# Altium PCB foxbms2-master.PcbDoc (part 4 of 11)
Units mil, origin at the board's own origin, x right, y up, seen from the top; angles counter-clockwise.
Board outline 7874.02 x 4724.41 mil, 8 copper layers (Top, Int1 (Sig), Int2 (Gnd), Int3 (Sig), Int4 (Sig), Int5 (Pwr), Int6 (Sig), Bottom), stack 64.41 mil thick; 912 components, 680 nets, 3159 pads, 2871 vias.
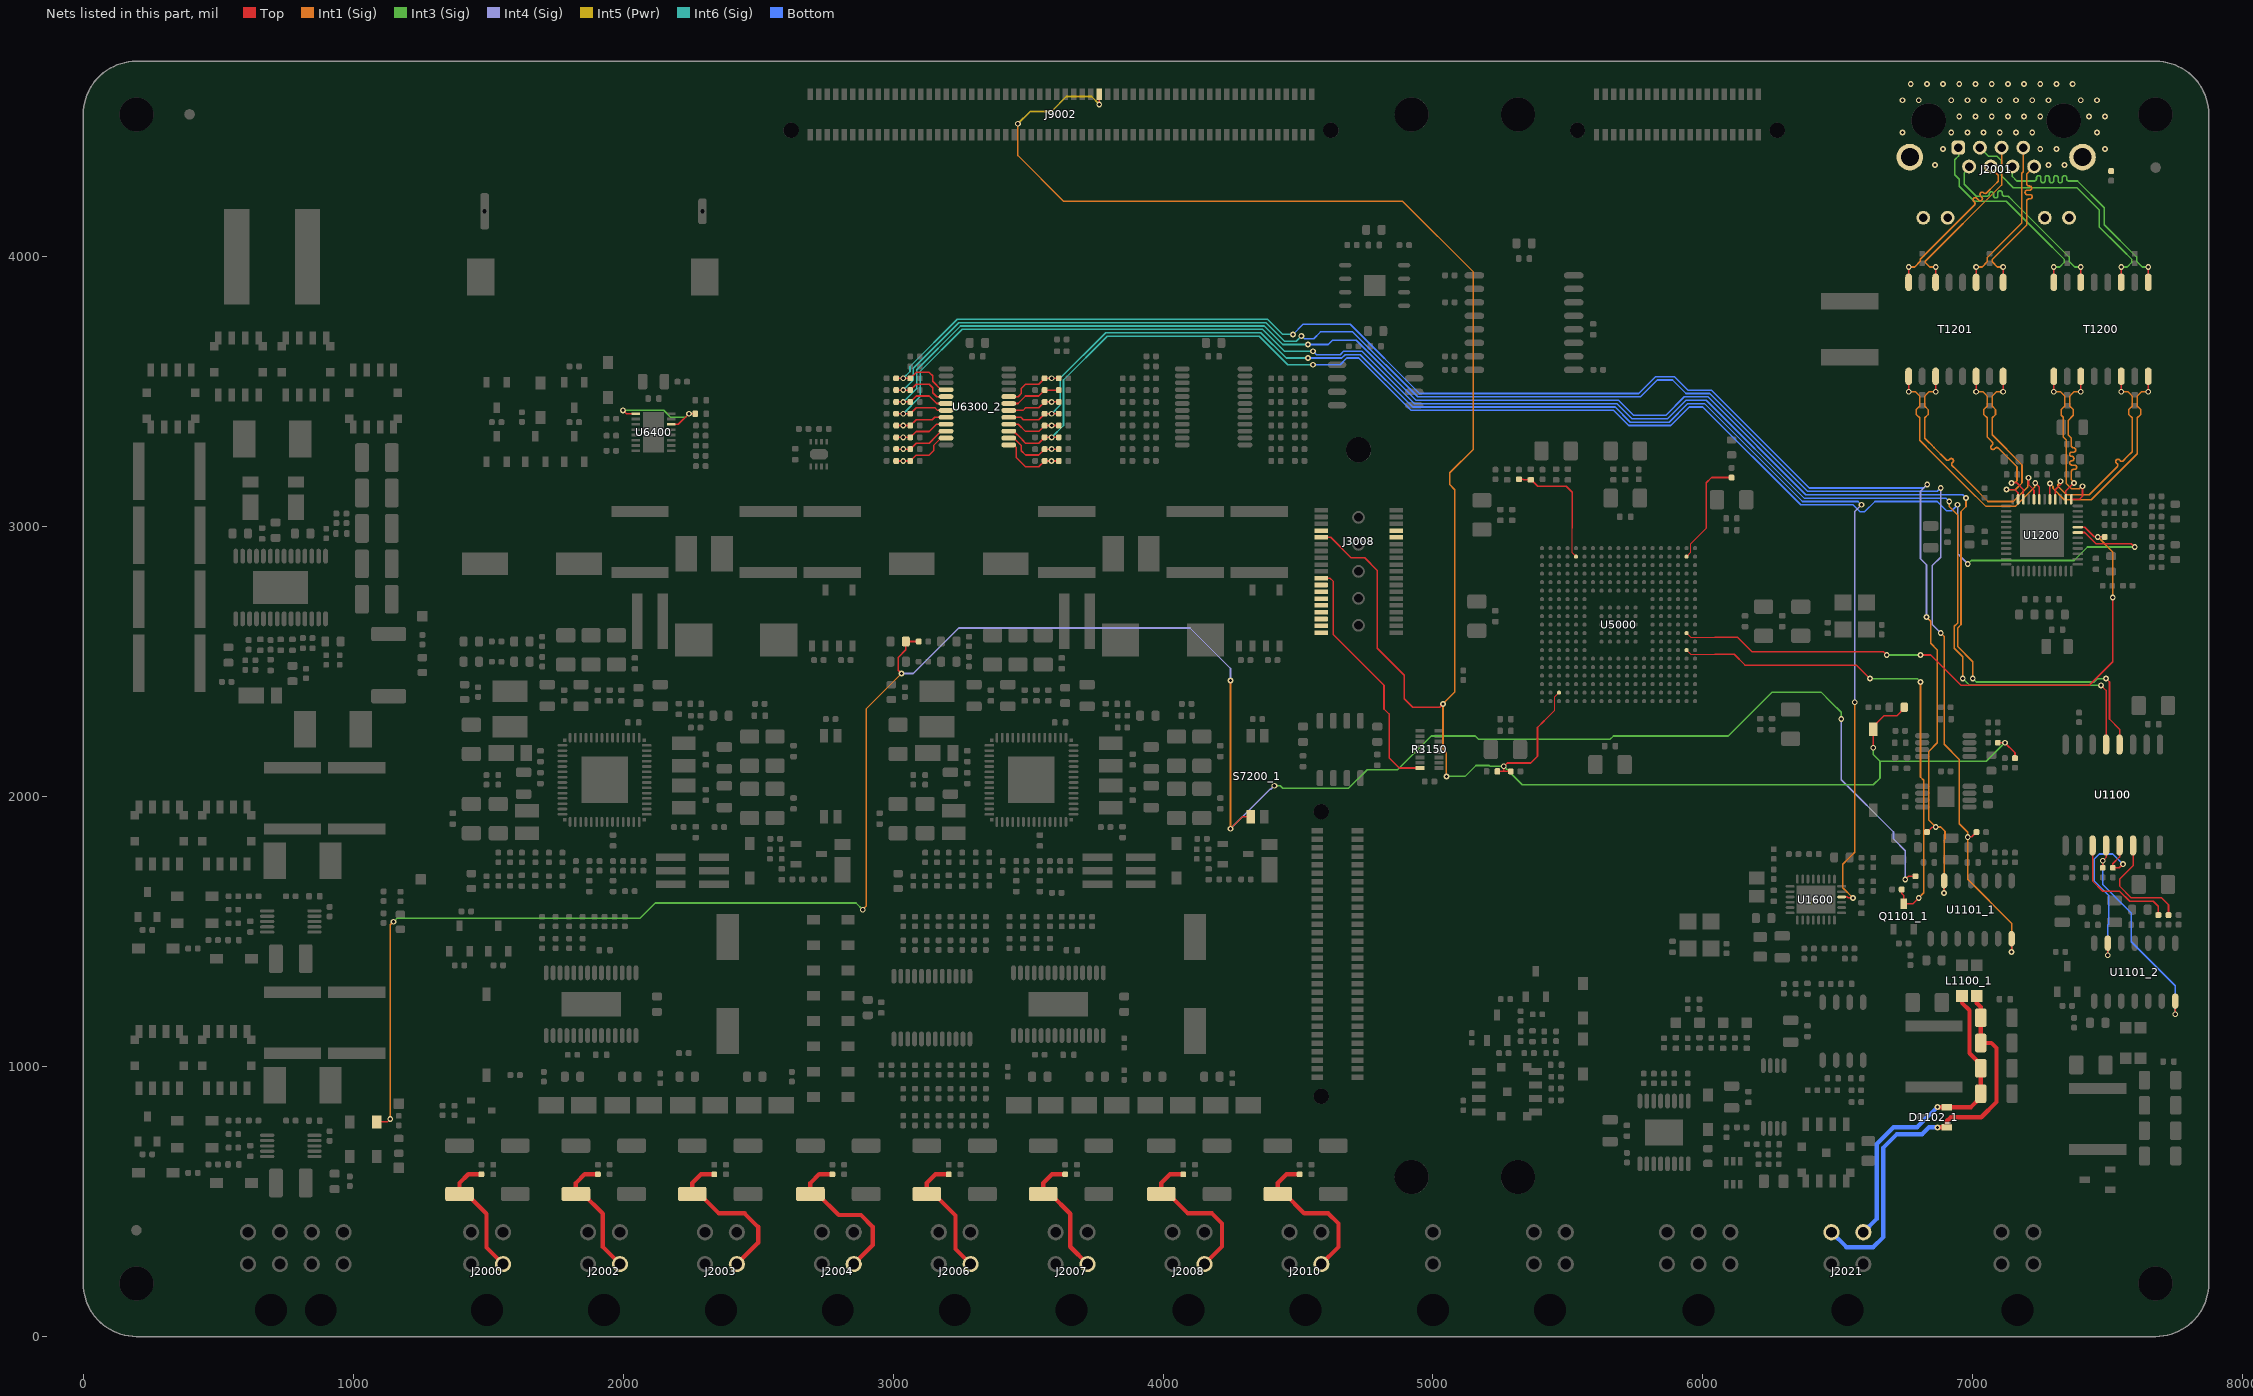
[diagram p10: the nets of this part, all layers, seen from the top]

## Part data (continued)
J3008: "Connector, SMT, 38 POS, MICTOR", Manufacturer=TE, Operating Temperature="−55 °C - +125 °C", Rated Current=11.5A, Rated Voltage="30V AC", Supplier Part Number 1=571-2-5767004-2, Automotive Qualified=False, Circuits=38, ComponentLink1Description=Datasheet, ComponentLink1URL=https://www.te.com/deu-de/product-2-5767004-2.datasheet.pdf, ECCN=EAR99, Part Name=TE_2-5767004-2, Part Number=TE_2-5767004-2, Supplier 1=Mouser, Supplier 2=Farnell, Supplier 3=Digikey, Supplier Part Number 2=1076633, Supplier Part Number 3=A32308-ND
J9000: library part SAMTEC_ERM8-020-09.0-L-DV-K-TR, "Edge Rate rugged high-speed connector strips", Manufacturer=Samtec, Operating Temperature="-55°C - +125°C", Supplier Part Number 1=3551150, Automotive Qualified=False, Circuits=40, ComponentLink1Description=Datasheet, ComponentLink1URL=https://suddendocs.samtec.com/catalog_english/erm8.pdf, ECCN=EAR99, Part Name=ERM8-020-09.0-L-DV-K-TR, Part Number=SAMTEC_ERM8-020-09.0-L-DV-K-TR, Supplier 1=Farnell, Supplier 2=Samtec, Supplier 3="RS Components", Supplier Part Number 2=ERM8-020-09.0-L-DV-K-TR, Supplier Part Number 3=1798876, System=Connector
J9001: library part SAMTEC_ERM8-030-09.0-L-DV-K-TR, "Edge Rate rugged high-speed connector strips", Manufacturer=Samtec, Operating Temperature="-55°C - +125°C", Supplier Part Number 1=SAM13766CT-ND, Automotive Qualified=False, Circuits=60, ComponentLink1Description=Datasheet, ComponentLink1URL=https://suddendocs.samtec.com/catalog_english/erm8.pdf, ECCN=EAR99, Part Name=ERM8-030-09.0-L-DV-K-TR, Part Number=SAMTEC_ERM8-030-09.0-L-DV-K-TR, Supplier 1=Digikey, Supplier 2=Mouser, Supplier Part Number 2=200-ERM8030090LDVKTR
J9002: library part SAMTEC_ERM8-060-09.0-L-DV-K-TR, "Edge Rate rugged high-speed connector strips", Manufacturer=Samtec, Operating Temperature="-55°C - +125°C", Supplier Part Number 1=SAM13147CT-ND, Automotive Qualified=False, Circuits=120, ComponentLink1Description=Datasheet, ComponentLink1URL=https://suddendocs.samtec.com/catalog_english/erm8.pdf, ECCN=EAR99, Part Name=ERM8-060-09.0-L-DV-K-TR, Part Number=SAMTEC_ERM8-060-09.0-L-DV-K-TR, Supplier 1=Digikey, Supplier 2=Mouser, Supplier Part Number 2=200-ERM8060090LDVKTR
L1100_1 L1100_2: library part DLW32SH510XK2L, "Common Mode Choke", Manufacturer=Murata, Operating Temperature="–40°C - +125°C", Rated Current=200mA, Supplier Part Number 1=490-18064-1-ND, Automotive Qualified=True, ComponentLink1Description=Datasheet, ComponentLink1URL=https://www.murata.com/en-eu/products/productdata/8799534383134/QFLC9119.pdf?1544104810000, Inductance=51uH, Part Number=DLW32SH510XK2L, Supplier 1=Digikey, Supplier 2=Mouser, Supplier 3=Farnell, Supplier Part Number 2=81-DLW32SH510XK2L, Supplier Part Number 3=2871330
L1600: library part LQM21DH100M70L, "Power Inductor", Manufacturer=Murata, Operating Temperature="-55°C - +150°C", Rated Current=300mA, Saturation Current=250mA, Supplier Part Number 1=490-18463-1-ND, Automotive Qualified=True, ComponentLink1Description=Datasheet, ComponentLink1URL=https://psearch.en.murata.com/inductor/product/LQM21DH100M70_.pdf, Inductance=10µH, Part Number=LQM21DH100M70L, Supplier 1=Digikey, Supplier 2=Mouser, Supplier Part Number 2=81-LQM21DH100M70L
L7100: library part XAL1010-222MEB, "Power Inductor", Manufacturer=Coilcraft, Operating Temperature="-40°C - +125°C", Rated Current=24.5A, Saturation Current=34A, Supplier Part Number 1=994-XAL1010-222MEB, Automotive Qualified=True, ComponentLink1Description=Datasheet, ComponentLink1URL=http://www.coilcraft.com/pdfs/xal1010.pdf, Inductance=2.2µH, Part Number=XAL1010-222MEB, Supplier 1=Mouser
L7200_1 L7200_2: library part ASPIAIG-S4035-1R0M-T, "Power Inductor", Manufacturer="Abracon LLC", Operating Temperature="–40°C - +125°C", Rated Current=4.5A, Saturation Current=6.9A, Supplier Part Number 1=535-14223-1-ND, Automotive Qualified=True, ComponentLink1Description=Datasheet, ComponentLink1URL=https://abracon.com/Magnetics/power/ASPIAIG-S4035.pdf, Inductance=1µH, Part Number=ASPIAIG-S4035-1R0M-T, Supplier 1=Digikey, Supplier 2=Farnell, Supplier Part Number 2=2848347
L7201_1 L7201_2: library part PA4342.682NLT, "Power Inductor", Manufacturer=Pulse, Operating Temperature="-40°C - +125°C", Rated Current=8.5A, Saturation Current=13.5A, Supplier Part Number 1=553-3442-1-ND, Automotive Qualified=True, ComponentLink1Description=Datasheet, ComponentLink1URL=https://www.mouser.de/datasheet/2/336/P769-1526786.pdf, Inductance=6.8µH, Part Number=PA4342.682NLT, Supplier 1=Digikey, Supplier 2=Mouser, Supplier Part Number 2=673-PA4342.682NLT
L7202_1 L7202_2: library part ASPIAIG-S4035-4R7M-T, "Power Inductor", Manufacturer="Abracon LLC", Operating Temperature="–40°C - +125°C", Rated Current=2.45A, Saturation Current=3.2A, Supplier Part Number 1=535-14227-1-ND, Automotive Qualified=True, ComponentLink1Description=Datasheet, ComponentLink1URL=https://abracon.com/Magnetics/power/ASPIAIG-S4035.pdf, Inductance=4.7µH, Part Number=ASPIAIG-S4035-4R7M-T, Supplier 1=Digikey
L7203_1 L7203_2 L7204_1 L7204_2 L7205_1 L7205_2: library part TFM252012ALMA1R0MTAA, "Power Inductor", Manufacturer=TDK, Operating Temperature="–55°C - +150°C", Rated Current=3.7A, Saturation Current=4.2A, Supplier Part Number 1=445-175183-1-ND, Automotive Qualified=True, ComponentLink1Description=Datasheet, ComponentLink1URL=https://product.tdk.com/info/en/catalog/datasheets/inductor_automotive_power_tfm252012alma_en.pdf, Inductance=1µH, Part Number=TFM252012ALMA1R0MTAA, Supplier 1=Digikey
Q1101_1 Q1101_2 Q4400 Q6400 Q6401 Q7200: "MOSFET-Transistor, p-Kanal, 0.27 A, 100 V, 4.2 ohm", Manufacturer=Diodes, Maximum Continous Drain Current (25°C)=0.27A, Maximum Drain-Source Voltage=100V, Operating Temperature="-55°C - +150°C", Part Name=PMOS, Supplier Part Number 1=3127354, Automotive Qualified=True, ComponentLink1Description=Datasheet, ComponentLink1URL=https://www.diodes.com/assets/Datasheets/DMP10H4D2S.pdf, Part Number=DMP10H4D2S-7, R_DS(on)=4.2, Supplier 1=Farnell, Supplier 2=Digikey, Supplier 3=Mouser, Supplier Part Number 2=DMP10H4D2S-7DICT-ND, Supplier Part Number 3=621-DMP10H4D2S-7, Total Gate Charge=1.8nC
Q4200: "MOSFET, N CHANNEL, 20V, 0.045OHM, 2.6A, TO-236", Manufacturer=Vishay, Maximum Continous Drain Current (25°C)=2.9A, Maximum Drain-Source Voltage=20V, Operating Temperature="-55°C - +150°C", Part Name=NMOS, Supplier Part Number 1=2524651, Automotive Qualified=False, ComponentLink1Description=Datasheet, ComponentLink1URL=http://www.farnell.com/datasheets/2046484.pdf?_ga=2.69037521.1386499687.1551691751-810718100.1550587845, Part Number=SI2302CDS-T1-GE, R_DS(on)=60m, Supplier 1=Farnell, Supplier 2=Mouser, Supplier 3=Digikey, Supplier Part Number 2=781-SI2302CDS-E3, Supplier Part Number 3=SI2302CDS-T1-E3CT-ND, Total Gate Charge=3.5nC
Q4401 Q6402 Q6403 Q6404 Q7201: "MOSFET-Transistor, n-Kanal, 1.6 A, 100 V, 0.250 ohm", Manufacturer=Diodes, Maximum Continous Drain Current (25°C)=1.6A, Maximum Drain-Source Voltage=100V, Operating Temperature="-55°C - +150°C", Part Name=NMOS, Supplier Part Number 1=DMN10H220L-7DICT-ND, Automotive Qualified=True, ComponentLink1Description=Datasheet, ComponentLink1URL=https://www.diodes.com/assets/Datasheets/DMN10H220L.pdf, Part Number=DMN10H220L-7, R_DS(on)=250m, Supplier 1=Digikey, Supplier 2=Farnell, Supplier 3=Mouser, Supplier Part Number 2=3127326, Supplier Part Number 3=621-DMN10H220L-7, Total Gate Charge=4.1nC
Q4402 Q7100 Q7101 Q7102 Q7103 Q7300_1 Q7300_2 Q7301_1 Q7301_2 Q8000: "N-Channel MOSFET, 100 V, 107 A, 5 mOhm", Manufacturer=STMicroelectronics, Maximum Continous Drain Current (25°C)=107A, Maximum Drain-Source Voltage=100V, Operating Temperature="-55°C - +175°C", Part Name=NMOS, Supplier Part Number 1=511-STL115N10F7AG, AEC-Q Grade="Grade 0", AEC-Q Norm=AEC-Q101, Automotive Qualified=True, ComponentLink1Description=Datasheet, ComponentLink1URL=https://www.mouser.de/datasheet/2/389/dm00333356-1798814.pdf, ECCN=EAR99, Part Number=STL115N10F7AG, R_DS(on)=5m, Supplier 1=Mouser, Supplier 2=Digikey, Supplier Part Number 2=497-17622-1-ND, Total Gate Charge=72.5nC
Q7202_1 Q7202_2: "Dual N-channel 60 V, 12.5 mΩ logic level MOSFET", Manufacturer=Nexperia, Maximum Continous Drain Current (25°C)=40A, Maximum Drain-Source Voltage=60V, Operating Temperature="-55°C - +170°C", Supplier Part Number 1=1727-2467-1-ND, AEC-Q Grade="Grade 0", AEC-Q Norm=AEC-Q101, Automotive Qualified=True, ComponentLink1Description=Datasheet, ComponentLink1URL=https://4donline.ihs.com/images/VipMasterIC/IC/NEXP/NEXP-S-A0003105620/NEXP-S-A0003105797-1.pdf?hkey=6D3A4C79FDBF58556ACFDE234799DDF0, ECCN=EAR99, Part Name=BUK9K13-60EX, Part Number=BUK9K13-60EX, R_DS(on)=12.5m, Supplier 1=Digikey, Supplier 2=Mouser, Supplier 3=Farnell, Supplier Part Number 2=771-BUK9K13-60EX, Supplier Part Number 3=3439704, Total Gate Charge=7.9nC
Q7203_1 Q7203_2: "MOSFET-Transistor, p-channel, -1.7 A, -60 V", Manufacturer=Vishay, Maximum Continous Drain Current (25°C)=1.7A, Maximum Drain-Source Voltage=60V, Operating Temperature="-55°C - +175°C", Part Name=PMOS, Supplier Part Number 1=SQ2309ES-T1_GE3CT-ND, Automotive Qualified=True, ComponentLink1Description=Datasheet, ComponentLink1URL=http://www.vishay.com/docs/67024/sq2309es.pdf, Part Number=SQ2309ES-T1_GE3, R_DS(on)=336m, Supplier 1=Digikey, Supplier 2=Farnell, Supplier 3=Mouser, Supplier Part Number 2=2617108, Supplier Part Number 3=781-SQ2309ES-T1_GE3, Total Gate Charge=8.5nC
Q7302_1 Q7302_2: "Single NPN Transistor", Manufacturer="Diodes Inc.", Maximum Continous Drain Current (25°C)=2A, Maximum Drain-Source Voltage=40V, Operating Temperature="-55°C - +150°C", Part Name=NPN, Supplier Part Number 1=ZXTN4240F-7DICT-ND, Automotive Qualified=True, ComponentLink1Description=Datasheet, ComponentLink1URL=https://www.diodes.com/assets/Datasheets/ZXTN4240F.pdf, Part Number=ZXTN4240F-7, Supplier 1=Digikey
R1100 R1101 R1102 R1106 R1107_1 R1107_2 R1108_1 R1108_2 R1208 R1209 R1210 R1211 R4408 R4410 R4514_1 R4514_2 R4515_1 R4515_2 R4516_1 R4516_2 R4517_1 R4517_2 R6602 R6603 R6606 R6607 R7211 R7219_1 R7219_2 R7247_1 R7247_2 R7248_1 R7248_2 R7249_1 R7249_2 R7310_1 R7310_2 R8026 R8027: library part gen_R_0R_0402, "SMD Resistor 0R 0402", Case EIA=0402, Case Metric=1005, Maximum Working Voltage=50V, Operating Temperature="-55°C - +155°C", PnP Package=0402R, Power=0.063W, Supplier Part Number 1=1469661, AEC-Q Norm=AEC-Q200, Automotive Qualified=True, ECCN=EAR99, Part Number=gen_R_0R_0402, PnP equipped=x, PnP Value=0R, Resistance=0R, Series=Jumper, Supplier 1=Farnell, Supplier 2=Farnell, Supplier Part Number 2=2059190
R1103_1 R1103_2 R1104_1 R1104_2 R1105_1 R1105_2 R1114_1 R1114_2 R1116_1 R1116_2 R1601 R1602 R1603 R1604 R1605 R1606 R1607 R1608 R4201 R4401 R4402 R4403 R4412 R4413 R4500 R4504_1 R4504_2 R4505_1 R4505_2 R4506_1 R4506_2 R4507_1 R4507_2 R4509_1 R4509_2 R4510_1 R4510_2 R4511_1 R4511_2 R4512_1 R4512_2 R6100 R6101 R6302_1 R6302_2 R6302_3 R6303_1 R6303_2 R6303_3 R6304_1 R6304_2 R6304_3 R6305_1 R6305_2 R6305_3 R6306_1 R6306_2 R6306_3 R6307_1 R6307_2 R6307_3 R6308_1 R6308_2 R6308_3 R6309_1 R6309_2 R6309_3 R6310_1 R6310_2 R6310_3 R6311_1 R6311_2 R6311_3 R6312_1 R6312_2 R6312_3 R6313_1 R6313_2 R6313_3 R6314_1 R6314_2 R6314_3 R6315_1 R6315_2 R6315_3 R6316_1 R6316_2 R6316_3 R6317_1 R6317_2 R6317_3 R6318_1 R6318_2 R6318_3 R6319_1 R6319_2 R6319_3 R6320_1 R6320_2 R6320_3 R6321_1 R6321_2 R6321_3 R6322_1 R6322_2 R6322_3 R6323_1 R6323_2 R6323_3 R6324_1 R6324_2 R6324_3 R6325_1 R6325_2 R6325_3 R6326_1 R6326_2 R6326_3 R6327_1 R6327_2 R6327_3 R6328_1 R6328_2 R6328_3 R6329_1 R6329_2 R6329_3 R6330_1 R6330_2 R6330_3 R6331_1 R6331_2 R6331_3 R6332_1 R6332_2 R6332_3 R6333_1 R6333_2 R6333_3 R6334_1 R6334_2 R6334_3 R6335_1 R6335_2 R6335_3 R6400 R6401 R6405 R6406 R6600 R6601 R6605 R7005 R7006 R7105 R7106 R7200 R7201 R7203 R7204 R7212 R7213 R7215 R7216 R7224 R7230_1 R7230_2 R7239_1 R7239_2 R7245_1 R7245_2 R7246_1 R7246_2 R7308_1 R7308_2 R7309_1 R7309_2 R8001 R8003 R8005 R8006 R8007 R8008 R8009 R8015 R8020 R8024: library part gen_R_10k_0402, "SMD Resistor 10k 0402", Case EIA=0402, Case Metric=1005, Maximum Working Voltage=50V, Operating Temperature="-55°C - +155°C", PnP Package=0402R, Power=0.063W, Supplier Part Number 1=2059239, Tolerance=1%, AEC-Q Norm=AEC-Q200, Automotive Qualified=True, ECCN=EAR99, Part Number=gen_R_10k_0402, PnP equipped=x, PnP Value=10k, Resistance=10k, Series="E24, E96", Supplier 1=Farnell
R1110_1 R1110_2 R1111_1 R1111_2 R1112_1 R1112_2 R1113_1 R1113_2: library part gen_R_120R_1206, "SMD Resistor 120R 1206", Case EIA=1206, Case Metric=3216, Maximum Working Voltage=200V, Operating Temperature="-55°C - +155°C", PnP Package=1206R, Power=0.3W, Supplier Part Number 1=A129799CT-ND, Tolerance=1%, AEC-Q Grade="Grade 0", AEC-Q Norm=AEC-Q200, Automotive Qualified=True, ECCN=EAR99, Part Number=gen_R_120R_1206, PnP Value=120R, Resistance=120R, Series=E24, Supplier 1=Digikey
R1115_1 R1115_2 R4200 R4400 R6407 R7101 R7102 R7107 R7109 R7202 R7214: library part gen_R_100R_0402, "SMD Resistor 100R 0402", Case EIA=0402, Case Metric=1005, Maximum Working Voltage=50V, Operating Temperature="-55°C - +155°C", PnP Package=0402R, Power=0.063W, Supplier Part Number 1=2302528, Tolerance=1%, AEC-Q Norm=AEC-Q200, Automotive Qualified=True, ECCN=EAR99, Part Number=gen_R_100R_0402, PnP equipped=x, PnP Value=100R, Resistance=100R, Series="E24, E96", Supplier 1=Farnell
R1200 R1201 R1202 R1203 R1212 R1213 R1214 R1215 R4205_1 R4205_2 R4205_3 R4205_4 R4205_5 R4205_6 R4205_7 R4205_8 R6300 R6301 R6403 R6404 R6500 R6501 R7103 R7236_1 R7236_2 R7237_1 R7237_2 R8011 R8012 R8022: library part gen_R_2k49_0402, "SMD Resistor 2k49 0402", Case EIA=0402, Case Metric=1005, Maximum Working Voltage=50V, Operating Temperature="-55°C - +155°C", PnP Package=0402R, Power=0.063W, Supplier Part Number 1=2059135, Tolerance=1%, Automotive Qualified=True, Part Number=gen_R_2k49_0402, PnP Value=2k49, Resistance=2k49, Series=E96, Supplier 1=Farnell
R1204 R1205 R1206 R1207: library part gen_R_120R_0402, "SMD Resistor 120R 0402", Case EIA=0402, Case Metric=1005, Maximum Working Voltage=50V, Operating Temperature="-55°C - +155°C", PnP Package=0402R, Power=0.063W, Supplier Part Number 1=2302535, Tolerance=1%, AEC-Q Norm=AEC-Q200, Automotive Qualified=True, ECCN=EAR99, Part Number=gen_R_120R_0402, PnP Value=120R, Resistance=120R, Series=E24, Supplier 1=Farnell
R1216 R1217 R1218 R1219 R1220: library part gen_R_75R_0402, "SMD Resistor 75R 0402", Case EIA=0402, Case Metric=1005, Maximum Working Voltage=50V, Operating Temperature="-55°C - +155°C", PnP Package=0402R, Power=0.063W, Supplier Part Number 1=2059111, Tolerance=1%, AEC-Q Grade="Grade 0", AEC-Q Norm=AEC-Q200, Automotive Qualified=True, ECCN=EAR99, Part Number=gen_R_75R_0402, PnP Value=75R, Resistance=75R, Series="E24, E96", Supplier 1=Farnell
R1221: library part gen_R_11k_0402, "SMD Resistor 11k 0402", Case EIA=0402, Case Metric=1005, Maximum Working Voltage=50V, Operating Temperature="-55°C - +155°C", PnP Package=0402R, Power=0.063W, Supplier Part Number 1=2324762, Tolerance=1%, AEC-Q Norm=AEC-Q200, Automotive Qualified=True, ECCN=EAR99, Part Number=gen_R_11k_0402, PnP Value=11k, Resistance=11k, Series="E24, E96", Supplier 1=Farnell
R1222 R3000 R3004 R3009 R7207_1 R7207_2 R7229_1 R7229_2 R7231_1 R7231_2 R7232_1 R7232_2 R7235_1 R7235_2 R7240_1 R7240_2 R7241_1 R7241_2 R7242_1 R7242_2 R7243_1 R7243_2: library part gen_R_5k1_0402, "SMD Resistor 5k1 0402", Case EIA=0402, Case Metric=1005, Maximum Working Voltage=50V, Operating Temperature="-55°C - +155°C", PnP Package=0402R, Power=0.063W, Supplier Part Number 1=2302709, Tolerance=1%, AEC-Q Grade="Grade 0", AEC-Q Norm=AEC-Q200, Automotive Qualified=True, ECCN=EAR99, Part Number=gen_R_5k1_0402, PnP equipped=x, PnP Value=5k1, Resistance=5k1, Series=E24, Supplier 1=Farnell
R1600 R8016: library part gen_R_2R_0805, "SMD Resistor 2R 0805", Case EIA=0805, Case Metric=2012, Maximum Working Voltage=150V, Operating Temperature="-55°C - +155°C", PnP Package=0805R, Power=0.125W, Supplier Part Number 1=P19275CT-ND, Tolerance=1%, AEC-Q Grade="Grade 0", AEC-Q Norm=AEC-Q200, Automotive Qualified=True, ECCN=EAR99, Part Number=gen_R_2R_0805, PnP Value=2R, Resistance=2R, Series="E24, E96", Supplier 1=Digikey
R1609 R1610 R1612 R1613 R7003: library part gen_R_390R_0402, "SMD Resistor 390R 0402", Case EIA=0402, Case Metric=1005, Maximum Working Voltage=50V, Operating Temperature="-55°C - +155°C", PnP Package=0402R, Power=0.063W, Supplier Part Number 1=2563565, Tolerance=1%, AEC-Q Grade="Grade 0", AEC-Q Norm=AEC-Q200, Automotive Qualified=True, ECCN=EAR99, Part Number=gen_R_390R_0402, PnP Value=390R, Resistance=390R, Series=E24, Supplier 1=Farnell
R1611 R6608 R7002 R7007 R7234_1 R7234_2 R7244_1 R7244_2 R7250_1 R7250_2: library part gen_R_220R_0402, "SMD Resistor 220R 0402", Case EIA=0402, Case Metric=1005, Maximum Working Voltage=50V, Operating Temperature="-55°C - +155°C", PnP Package=0402R, Power=0.063W, Supplier Part Number 1=A129619CT-ND, Tolerance=1%, AEC-Q Grade="Grade 0", AEC-Q Norm=AEC-Q200, Automotive Qualified=True, ECCN=EAR99, Part Number=gen_R_220R_0402, PnP Value=220R, Resistance=220R, Series=E24, Supplier 1=Digikey
R3150: library part EXB2HV220JV, "SMD Resistor Array 0402 8x", Case EIA=EXB2HV, Maximum Working Voltage=25V, Operating Temperature="-55°C - +155°C", Power=63mW, Supplier Part Number 1=2060065, Tolerance=5%, AEC-Q Grade="Grade 1", AEC-Q Norm=AEC-Q200, Automotive Qualified=True, ECCN=EAR99, Part Number=EXB2HV220JV, Resistance=22R, Series="E24, E96", Supplier 1=Farnell, Supplier 2=Mouser, Supplier Part Number 2=667-EXB-2HV220JV
R4202_1 R4202_2 R4202_3 R4202_4 R4202_5 R4202_6 R4202_7 R4202_8: library part gen_R_86R6_2010, "SMD Resistor 86R6 2010", Case EIA=2010, Case Metric=5025, Maximum Working Voltage=400V, Operating Temperature="-55°C - +155°C", PnP Package=2010R, Power=0.75W, Supplier Part Number 1=541-86.6ACCT-ND, Tolerance=1%, AEC-Q Grade="Grade 0", AEC-Q Norm=AEC-Q200, Automotive Qualified=True, ECCN=EAR99, Part Number=gen_R_86R6_2010, PnP Value=86R6, Resistance=86R6, Series=E96, Supplier 1=Digikey
R4203_1 R4203_2 R4203_3 R4203_4 R4203_5 R4203_6 R4203_7 R4203_8 R4206_1 R4206_2 R4206_3 R4206_4 R4206_5 R4206_6 R4206_7 R4206_8 R7000 R7004 R8002 R8010: library part gen_R_5k6_0402, "SMD Resistor 5k6 0402", Case EIA=0402, Case Metric=1005, Maximum Working Voltage=50V, Operating Temperature="-55°C - +155°C", PnP Package=0402R, Power=0.063W, Supplier Part Number 1=A129636CT-ND, Tolerance=1%, AEC-Q Grade="Grade 0", AEC-Q Norm=AEC-Q200, Automotive Qualified=True, ECCN=EAR99, Part Number=gen_R_5k6_0402, PnP Value=5k6, Resistance=5k6, Series=E24, Supplier 1=Digikey
R4204_1 R4204_2 R4204_3 R4204_4 R4204_5 R4204_6 R4204_7 R4204_8: library part gen_R_33R_2010, "SMD Resistor 33R 2010", Case EIA=2010, Case Metric=5025, Maximum Working Voltage=400V, Operating Temperature="-55°C - +155°C", PnP Package=2010R, Power=0.75W, Supplier Part Number 1=2324408, Tolerance=1%, AEC-Q Grade="Grade 0", AEC-Q Norm=AEC-Q200, Automotive Qualified=True, ECCN=EAR99, Part Number=gen_R_33R_2010, PnP Value=33R, Resistance=33R, Series=E24, Supplier 1=Farnell
R4404 R4406 R4409: library part gen_R_1k5_0402, "SMD Resistor 1k5 0402", Case EIA=0402, Case Metric=1005, Maximum Working Voltage=50V, Operating Temperature="-55°C - +155°C", PnP Package=0402R, Power=0.063W, Supplier Part Number 1=2302656, Tolerance=1%, Automotive Qualified=True, Part Number=gen_R_1k5_0402, PnP Value=1k5, Resistance=1k5, Series="E24, E96", Supplier 1=Farnell, Supplier 2=Farnell, Supplier Part Number 2=1653201
R4405 R4407 R4411: library part gen_R_680R_0402, "SMD Resistor 680R 0402", Case EIA=0402, Case Metric=1005, Maximum Working Voltage=50V, Operating Temperature="-55°C - +155°C", PnP Package=0402R, Power=0.063W, Supplier Part Number 1=2302619, Tolerance=1%, AEC-Q Grade="Grade 0", AEC-Q Norm=AEC-Q200, Automotive Qualified=True, ECCN=EAR99, Part Number=gen_R_680R_0402, PnP Value=680R, Resistance=680R, Series=E24, Supplier 1=Farnell
R4501_1 R4501_2 R4502_1 R4502_2 R4503_1 R4503_2 R4508_1 R4508_2 R4513_1 R4513_2: library part gen_R_47k5_0402, "SMD Resistor 47k5 0402", Case EIA=0402, Case Metric=1005, Maximum Working Voltage=50V, Operating Temperature="-55°C - +155°C", PnP Package=0402R, Power=0.063W, Supplier Part Number 1=2563598, Tolerance=1%, AEC-Q Grade="Grade 0", AEC-Q Norm=AEC-Q200, Automotive Qualified=True, ECCN=EAR99, Part Number=gen_R_47k5_0402, PnP Value=47k5, Resistance=47k5, Series=E96, Supplier 1=Farnell
R5000 R7306_1 R7306_2: library part gen_R_33R_0402, "SMD Resistor 33R 0402", Case EIA=0402, Case Metric=1005, Maximum Working Voltage=50V, Operating Temperature="-55°C - +155°C", PnP Package=0402R, Power=0.063W, Supplier Part Number 1=A129609CT-ND, Tolerance=1%, AEC-Q Grade="Grade 0", AEC-Q Norm=AEC-Q200, Automotive Qualified=True, ECCN=EAR99, Part Number=gen_R_33R_0402, PnP Value=33R, Resistance=33R, Series=E24, Supplier 1=Digikey
R6200 R6201 R6202 R6203 R6204 R6205 R6206 R6207 R6402 R6408 R6409 R6410 R6411 R6412 R7223 R7225 R7233_1 R7233_2 R7238_1 R7238_2 R7251_1 R7251_2 R7307_1 R7307_2: library part gen_R_100k_0402, "SMD Resistor 100k 0402", Case EIA=0402, Case Metric=1005, Maximum Working Voltage=50V, Operating Temperature="-55°C - +155°C", PnP Package=0402R, Power=0.063W, Supplier Part Number 1=2302839, Tolerance=1%, Automotive Qualified=True, Part Number=gen_R_100k_0402, PnP equipped=x, PnP Value=100k, Resistance=100k, Series="E24, E96", Supplier 1=Farnell
R6604 R7113 R7205 R7220: library part gen_R_20k_0402, "SMD Resistor 20k 0402", Case EIA=0402, Case Metric=1005, Maximum Working Voltage=50V, Operating Temperature="-55°C - +155°C", PnP Package=0402R, Power=0.063W, Supplier Part Number 1=2059242, Tolerance=1%, AEC-Q Norm=AEC-Q200, Automotive Qualified=True, ECCN=EAR99, Part Number=gen_R_20k_0402, PnP equipped=x, PnP Value=20k, Resistance=20k, Series="E24, E96", Supplier 1=Farnell, Supplier 2=Farnell, Supplier Part Number 2=2059160
R7001 R7206 R7218 R7221: library part gen_R_1k91_0402, "SMD Resistor 1k91 0402", Case EIA=0402, Case Metric=1005, Maximum Working Voltage=50V, Operating Temperature="-55°C - +155°C", PnP Package=0402R, Power=0.063W, Supplier Part Number 1=P1.91KLCT-ND, Tolerance=1%, AEC-Q Grade="Grade 0", AEC-Q Norm=AEC-Q200, Automotive Qualified=True, ECCN=EAR99, Part Number=gen_R_1k91_0402, PnP Value=1k91, Resistance=1k91, Series=E96, Supplier 1=Digikey
R7008: library part gen_R_866R_0402, "SMD Resistor 866R 0402", Case EIA=0402, Case Metric=1005, Maximum Working Voltage=50V, Operating Temperature="-55°C - +155°C", PnP Package=0402R, Power=0.063W, Supplier Part Number 1=2302631, Tolerance=1%, AEC-Q Grade="Grade 0", AEC-Q Norm=AEC-Q200, Automotive Qualified=True, ECCN=EAR99, Part Number=gen_R_866R_0402, PnP Value=866R, Resistance=866R, Series=E96, Supplier 1=Farnell
R7100 R7108 R7301_1 R7301_2: library part ERJ-MS4HF5M0U, "SMD Shunt Resistor 0R005", Case EIA=2512, Operating Temperature="-65°C - +170°C", Power=3W, Supplier Part Number 1=P17093CT-ND, Tolerance=1%, Automotive Qualified=True, Part Number=ERJ-MS4HF5M0U, Resistance=0R005, Supplier 1=Digikey
R7104 R7303_1 R7303_2 R8014 R8017: library part gen_R_10R_0402, "SMD Resistor 10R 0402", Case EIA=0402, Case Metric=1005, Maximum Working Voltage=50V, Operating Temperature="-55°C - +155°C", PnP Package=0402R, Power=0.063W, Supplier Part Number 1=2302417, Tolerance=1%, Automotive Qualified=True, Part Number=gen_R_10R_0402, PnP Value=10R, Resistance=10R, Series="E24, E96", Supplier 1=Farnell
R7110: library part gen_R_93k1_0402, "SMD Resistor 93k1 0402", Case EIA=0402, Case Metric=1005, Maximum Working Voltage=50V, Operating Temperature="-55°C - +155°C", PnP Package=0402R, Power=0.063W, Supplier Part Number 1=2302836, Tolerance=1%, AEC-Q Grade="Grade 0", AEC-Q Norm=AEC-Q200, Automotive Qualified=True, ECCN=EAR99, Part Number=gen_R_93k1_0402, PnP Value=93k1, Resistance=93k1, Series=E96, Supplier 1=Farnell
R7111: library part gen_R_23k7_0402, "SMD Resistor 23k7 0402", Case EIA=0402, Case Metric=1005, Maximum Working Voltage=50V, Operating Temperature="-55°C - +155°C", PnP Package=0402R, Power=0.063W, Supplier Part Number 1=2302775, Tolerance=1%, AEC-Q Grade="Grade 0", AEC-Q Norm=AEC-Q200, Automotive Qualified=True, ECCN=EAR99, Part Number=gen_R_23k7_0402, PnP Value=23k7, Resistance=23k7, Series=E96, Supplier 1=Farnell
R7112: library part gen_R_280k_0402, "SMD Resistor 280k 0402", Case EIA=0402, Case Metric=1005, Maximum Working Voltage=50V, Operating Temperature="-55°C - +155°C", PnP Package=0402R, Power=0.063W, Supplier Part Number 1=2302887, Tolerance=1%, AEC-Q Grade="Grade 0", AEC-Q Norm=AEC-Q200, Automotive Qualified=True, ECCN=EAR99, Part Number=gen_R_280k_0402, PnP Value=280k, Resistance=280k, Series=E96, Supplier 1=Farnell
R7114 R7209 R7210: library part gen_R_4k7_0402, "SMD Resistor 4k7 0402", Case EIA=0402, Case Metric=1005, Maximum Working Voltage=50V, Operating Temperature="-55°C - +155°C", PnP Package=0402R, Power=0.063W, Supplier Part Number 1=2302707, Tolerance=1%, Automotive Qualified=True, Part Number=gen_R_4k7_0402, PnP equipped=x, PnP Value=4k7, Resistance=4k7, Series=E24, Supplier 1=Farnell
R7115: library part gen_R_0R_2512, "SMD Resistor 0R 2512", Case EIA=2512, Case Metric=6432, Maximum Working Voltage=500V, Operating Temperature="-55°C - +155°C", PnP Package=2512R, Power=1W, Supplier Part Number 1=2309110, Automotive Qualified=True, Part Number=gen_R_0R_2512, PnP Value=0R, Resistance=0R, Series=Jumper, Supplier 1=Farnell
R7208: library part gen_R_26k7_0402, "SMD Resistor 26k7 0402", Case EIA=0402, Case Metric=1005, Maximum Working Voltage=50V, Operating Temperature="-55°C - +155°C", PnP Package=0402R, Power=0.063W, Supplier Part Number 1=P26.7KLCT-ND, Tolerance=1%, AEC-Q Grade="Grade 0", AEC-Q Norm=AEC-Q200, Automotive Qualified=True, ECCN=EAR99, Part Number=gen_R_26k7_0402, PnP Value=26k7, Resistance=26k7, Series=E96, Supplier 1=Digikey
R7217: library part gen_R_3k24_0402, "SMD Resistor 3k24 0402", Case EIA=0402, Case Metric=1005, Maximum Working Voltage=50V, Operating Temperature="-55°C - +155°C", PnP Package=0402R, Power=0.063W, Supplier Part Number 1=2302689, Tolerance=1%, AEC-Q Grade="Grade 0", AEC-Q Norm=AEC-Q200, Automotive Qualified=True, ECCN=EAR99, Part Number=gen_R_3k24_0402, PnP Value=3k24, Resistance=3k24, Series=E96, Supplier 1=Farnell
R7222: library part gen_R_6k98_0402, "SMD Resistor 6k98 0402", Case EIA=0402, Case Metric=1005, Maximum Working Voltage=50V, Operating Temperature="-55°C - +155°C", PnP Package=0402R, Power=0.063W, Supplier Part Number 1=2302725, Tolerance=1%, AEC-Q Grade="Grade 0", AEC-Q Norm=AEC-Q200, Automotive Qualified=True, ECCN=EAR99, Part Number=gen_R_6k98_0402, PnP Value=6k98, Resistance=6k98, Series=E96, Supplier 1=Farnell
R7226_1 R7226_2: library part ERJ-B1CFR015U, "SMD Shunt Resistor 0R015", Case EIA=ERJ-B1, Maximum Working Voltage=200V, Operating Temperature="-55°C - +155°C", Power=2W, Supplier Part Number 1=2294050, Tolerance=1%, Automotive Qualified=True, Part Number=ERJ-B1CFR015U, Resistance=0R015, Supplier 1=Farnell, Supplier 2=Mouser, Supplier Part Number 2=667-ERJ-B1CFR015U
R7227_1 R7227_2 R7228_1 R7228_2: library part gen_R_1M_0402, "SMD Resistor 1M 0402", Case EIA=0402, Case Metric=1005, Maximum Working Voltage=50V, Operating Temperature="-55°C - +155°C", PnP Package=0402R, Power=0.063W, Supplier Part Number 1=A129663CT-ND, Tolerance=1%, AEC-Q Grade="Grade 0", AEC-Q Norm=AEC-Q200, Automotive Qualified=True, ECCN=EAR99, Part Number=gen_R_1M_0402, PnP Value=1M, Resistance=1M, Series="E24, E96", Supplier 1=Digikey
R7304_1 R7304_2 R7305_1 R7305_2 R7311_1 R7311_2 R8021: library part gen_R_240k_0402, "SMD Resistor 240k 0402", Case EIA=0402, Case Metric=1005, Maximum Working Voltage=50V, Operating Temperature="-55°C - +155°C", PnP Package=0402R, Power=0.063W, Supplier Part Number 1=P240KLCT-ND, Tolerance=1%, AEC-Q Grade="Grade 0", AEC-Q Norm=AEC-Q200, Automotive Qualified=True, ECCN=EAR99, Part Number=gen_R_240k_0402, PnP Value=240k, Resistance=240k, Series=E24, Supplier 1=Digikey
R8000: library part gen_R_330R_0603, "SMD Resistor 330R 0603", Case EIA=0603, Case Metric=1608, Maximum Working Voltage=75V, Operating Temperature="-55°C - +155°C", PnP Package=0603R, Power=0.1W, Supplier Part Number 1=2692155, Tolerance=1%, Automotive Qualified=True, Part Number=gen_R_330R_0603, PnP Value=330R, Resistance=330R, Series=E24, Supplier 1=Farnell
R8004 R8013: library part gen_R_3k9_0402, "SMD Resistor 3k9 0402", Case EIA=0402, Case Metric=1005, Maximum Working Voltage=50V, Operating Temperature="-55°C - +155°C", PnP Package=0402R, Power=0.063W, Supplier Part Number 1=2302698, Tolerance=1%, AEC-Q Grade="Grade 0", AEC-Q Norm=AEC-Q200, Automotive Qualified=True, ECCN=EAR99, Part Number=gen_R_3k9_0402, PnP Value=3k9, Resistance=3k9, Series=E24, Supplier 1=Farnell
R8018: library part gen_R_1k_0402, "SMD Resistor 1k 0402", Case EIA=0402, Case Metric=1005, Maximum Working Voltage=50V, Operating Temperature="-55°C - +155°C", PnP Package=0402R, Power=0.063W, Supplier Part Number 1=2302638, Tolerance=1%, AEC-Q Norm=AEC-Q200, Automotive Qualified=True, ECCN=EAR99, Part Number=gen_R_1k_0402, PnP equipped=x, PnP Value=1k, Resistance=1k, Series="E24, E96", Supplier 1=Farnell
R8019: library part gen_R_22k1_0402, "SMD Resistor 22k1 0402", Case EIA=0402, Case Metric=1005, Maximum Working Voltage=50V, Operating Temperature="-55°C - +155°C", PnP Package=0402R, Power=0.063W, Supplier Part Number 1=2563485, Tolerance=1%, AEC-Q Grade="Grade 0", AEC-Q Norm=AEC-Q200, Automotive Qualified=True, ECCN=EAR99, Part Number=gen_R_22k1_0402, PnP Value=22k1, Resistance=22k1, Series=E96, Supplier 1=Farnell
R8023: library part gen_R_10R_0805, "SMD Resistor 10R 0805", Case EIA=0805, Case Metric=2012, Maximum Working Voltage=150V, Operating Temperature="-55°C - +155°C", PnP Package=0805R, Power=0.125W, Supplier Part Number 1=1750728, Tolerance=1%, AEC-Q Grade="Grade 0", AEC-Q Norm=AEC-Q200, Automotive Qualified=True, ECCN=EAR99, Part Number=gen_R_10R_0805, PnP Value=10R, Resistance=10R, Series="E24, E96", Supplier 1=Farnell
R8025: library part gen_R_330R_0402, "SMD Resistor 330R 0402", Case EIA=0402, Case Metric=1005, Maximum Working Voltage=50V, Operating Temperature="-55°C - +155°C", PnP Package=0402R, Power=0.063W, Supplier Part Number 1=2302581, Tolerance=1%, AEC-Q Grade="Grade 0", AEC-Q Norm=AEC-Q200, Automotive Qualified=True, ECCN=EAR99, Part Number=gen_R_330R_0402, PnP Value=330R, Resistance=330R, Series=E24, Supplier 1=Farnell
S4500 S6600: library part WE_416131160801, "WS-DISV Small Compact SMT DipSwitch", Manufacturer="Würth Elektronik", Operating Temperature="-40°C - +85°C", Supplier Part Number 1=732-3851-1-ND, Automotive Qualified=False, ComponentLink1Description=Datasheet, ComponentLink1URL=https://www.we-online.de/katalog/datasheet/418121270801.pdf, Part Name=WS-DISV, Part Number=WE_416131160801, Supplier 1=Digikey, Supplier 2=Mouser, Supplier Part Number 2=710-416131160801
S7200_1 S7200_2: library part WE_416131160802, "WS-DISV Small Compact SMT DipSwitch", Manufacturer="Würth Elektronik", Operating Temperature="-40°C - +85°C", Supplier Part Number 1=732-3852-1-ND, Automotive Qualified=False, ComponentLink1Description=Datasheet, ComponentLink1URL=https://www.we-online.de/katalog/datasheet/418121270802.pdf, Part Name=WS-DISV, Part Number=WE_416131160802, Supplier 1=Digikey, Supplier 2=Mouser, Supplier Part Number 2=710-416131160802
T1200 T1201: "10/100 Base-T Transformer", Manufacturer=Bourns, Operating Temperature="−40°C - +125°C", Supplier Part Number 1=2932105, Automotive Qualified=True, ComponentLink1Description=Datasheet, ComponentLink1URL=https://datasheet.octopart.com/SM91074ALE-Bourns-datasheet-134093235.pdf, Part Name=SM91074ALE, Part Number=SM91074ALE, Supplier 1=Farnell, Supplier 2=Mouser, Supplier 3=Digikey, Supplier Part Number 2=652-SM91074ALE, Supplier Part Number 3=SM91074ALECT-ND
TP8000 TP8001 TP8002 TP8003 TP_GND TP_VBB_12V TP_VSUP_30 TP_VSUP_30C: "Testpoint, square", Automotive Qualified=False, Part Number=Testpoint_Square
U1100: "Digital Isolator, 4 channel, with power"
U1100: "Automotive High-Performance, 5000-VRMS Reinforced Quad-Channel Digital Isolator With Integrated High-Efficiency, Low-Emissions DC-DC Converter", Manufacturer="Texas Instruments", Operating Temperature="−40°C - +125°C", PnP Package=SOIC-16, Supplier Part Number 1=296-ISOW7841AQDWEQ1-ND, AEC-Q Grade="Grade 1", AEC-Q Norm=AEC-Q100, Automotive Qualified=True, ComponentLink1Description=Datasheet, ComponentLink1URL=https://www.ti.com/lit/ds/symlink/isow7841a-q1.pdf?ts=1619516874236, ECCN=EAR99, Part Name=ISOW7841AQDWEQ1, Part Number=ISOW7841AQDWEQ1, Supplier 1=Digikey, Supplier 2=Mouser, Supplier Part Number 2=595-ISOW7841AQDWEQ1
U1101_1 U1101_2: "Low-Power Fault Protected CAN Transceiver with CAN FD and Wake", Manufacturer="Texas Instruments", Operating Temperature="−55°C - +125°C", PnP Package=SOIC-14, Supplier Part Number 1=595-TCAN1043HDQ1, AEC-Q Grade="Grade 1", AEC-Q Norm=AEC-Q100, Automotive Qualified=True, ComponentLink1Description=Datasheet, ComponentLink1URL=https://www.ti.com/lit/ds/symlink/tcan1043h-q1.pdf?HQS=dis-mous-null-mousermode-dsf-pf-null-wwe&DCM=yes&ref_url=https%3A%2F%2Fwww.mouser.de%2F&distId=26, ECCN=EAR99, Part Name=TCAN1043HDQ1, Part Number=TCAN1043HDQ1, Supplier 1=Mouser, Supplier 2=Digikey, Supplier Part Number 2=296-47920-ND
U1200: "High Immunity 10/100/1000 Ethernet Physical Layer Transceiver and Fiber Interface", Manufacturer="Texas Instruments", Operating Temperature="−40°C - +125°C", PnP Package=VQFN-48, Supplier Part Number 1=296-53377-1-ND, Automotive Qualified=False, ComponentLink1Description=Datasheet, ComponentLink1URL=http://www.ti.com/lit/ds/symlink/dp83869hm.pdf, Part Name=DP83869HMRGZT, Part Number=DP83869HMRGZT, Supplier 1=Digikey, Supplier 2=Mouser, Supplier Part Number 2=595-DP83869HMRGZT
U1600: "RS-232-IC-Interface RS232/RS485 Multiprotocol Transceiver with Integrated Termination", Manufacturer="Analog Devices", Operating Temperature="−40°C - +125°C", PnP Package=QFN-28, Supplier Part Number 1=584-LTC2870HUFD#PBF, Automotive Qualified=False, ComponentLink1Description=Datasheet, ComponentLink1URL=https://www.analog.com/media/en/technical-documentation/data-sheets/28701fb.pdf, Part Name=LTC2870HUFD, Part Number=LTC2870HUFD, Supplier 1=Mouser, Supplier 2=Digikey, Supplier Part Number 2=LTC2870HUFD#TRPBF-ND
U4301: "Ultralow Noise, High Accuracy Voltage Reference", Manufacturer="Analog Devices", Operating Temperature="−40°C - +125°C", PnP Package=SO-8, Supplier Part Number 1=2112695, AEC-Q Grade=unknown, AEC-Q Norm=AEC-Q100, Automotive Qualified=True, ComponentLink1Description=Datasheet, ComponentLink1URL=http://www.analog.com/media/en/technical-documentation/data-sheets/ADR4520_4525_4530_4533_4540_4550.pdf, ECCN=EAR99, Part Name=ADR4550BRZ, Part Number=ADR4550BRZ, Supplier 1=Farnell, Supplier 2=Digikey, Supplier 3=Mouser, Supplier Part Number 2=ADR4550BRZ-ND, Supplier Part Number 3=584-ADR4550BRZ
U4500_1 U4500_2: "Quad 100 mΩ / dual 50 mΩ, 3.0 V to 60 V high-side switch", Manufacturer=NXP, Operating Temperature="−40°C - +125°C", PnP Package=HTSSOP-28, Automotive Qualified=True, Part Name=MC33XS2410EL, Part Number=MC33XS2410EL
U6200: "512 Mbit (64 Mbyte), 3.0 V SPI Flash Memory", Manufacturer=Cypress, Operating Temperature="−40°C - +125°C", PnP Package=SOIC-16, Supplier Part Number 1=727-S25FL512SSMFM010, Automotive Qualified=True, ComponentLink1Description=Datasheet, ComponentLink1URL=https://www.cypress.com/file/177971/download, Part Name=S25FL512SDSMFM010, Part Number=S25FL512SDSMFM010, Supplier 1=Mouser, Supplier 2=Digikey, Supplier Part Number 2=S25FL512SDSMFM010-ND
U6201: "Excelon™-Auto 2-Mbit (256K × 8) Automotive-E Serial (SPI) F-RAM", Manufacturer=Cypress, Operating Temperature="−40°C - +125°C", PnP Package=SOIC-8, Supplier Part Number 1=727-CY15B102QN-50SXE, Automotive Qualified=True, ComponentLink1Description=Datasheet, ComponentLink1URL=https://www.cypress.com/file/400736/download, Part Name=CY15B102QN-50SXE, Part Number=CY15B102QN-50SXE, Supplier 1=Mouser
U6202: "Magnetoresistive random access memory (MRAM) device", Manufacturer=Everspin, Operating Temperature="−40°C - +125°C", PnP Package=DFN-8, Automotive Qualified=False, Part Name=MR25H40BMDF, Part Number=MR25H40BMDF
U6300_1 U6300_2 U6300_3: "16-bit I2C-bus and SMBus low power I/O port with interrupt and reset", Manufacturer=NXP, Operating Temperature="−40°C - +125°C", Supplier Part Number 1=771-PCA9539PW/Q90011, Automotive Qualified=False, ComponentLink1Description=Datasheet, ComponentLink1URL=https://www.nxp.com/docs/en/data-sheet/PCA9539_PCA9539R.pdf, Part Name=PCA9539PW, Part Number=PCA9539PW, Supplier 1=Mouser
U6400: "Ultra low power and high accurate RTC with integrated quartz crystal", Manufacturer=NXP, Operating Temperature="−40°C - +85°C", AEC-Q Norm=AEC-Q100, Automotive Qualified=True, ComponentLink1Description=Datasheet, ComponentLink1URL=https://www.nxp.com/docs/en/data-sheet/PCF2131DS.pdf, Part Name=PCF2131TF, Part Number=PCF2131TF
U6500: "Humidity/Temp Sensor, Digital, Dfn-8", Manufacturer=Sensirion, Operating Temperature="-40°C - +125°C", PnP Package=DFN, Supplier Part Number 1=2886656, Automotive Qualified=True, ComponentLink1Description=Datasheet, ComponentLink1URL=http://www.farnell.com/datasheets/2756487.pdf, Part Name=SHT35-DIS-F, Part Number=SHT35-DIS-F, Supplier 1=Farnell, Supplier 2=Digikey, Supplier 3=Mouser, Supplier Part Number 2=1649-1067-1-ND, Supplier Part Number 3=403-SHT35-DIS-F
U6600: "High-Voltage Watchdog Timers with Adjustable Timeout Delay", Manufacturer="Maxim Integrated", Operating Temperature="−40°C - +125°C", PnP Package=uSOP-8, Supplier Part Number 1=700-MAX16998DAUA/V+, Automotive Qualified=True, ComponentLink1Description=Datasheet, ComponentLink1URL=https://www.mouser.de/datasheet/2/256/MAX16997-MAX16998-1292640.pdf, Part Name=MAX16998DAUA/V+, Part Number=MAX16998DAUA/V+, Supplier 1=Mouser